# Altium PCB DM1090FFC.PcbDoc (part 2 of 4) (continued)
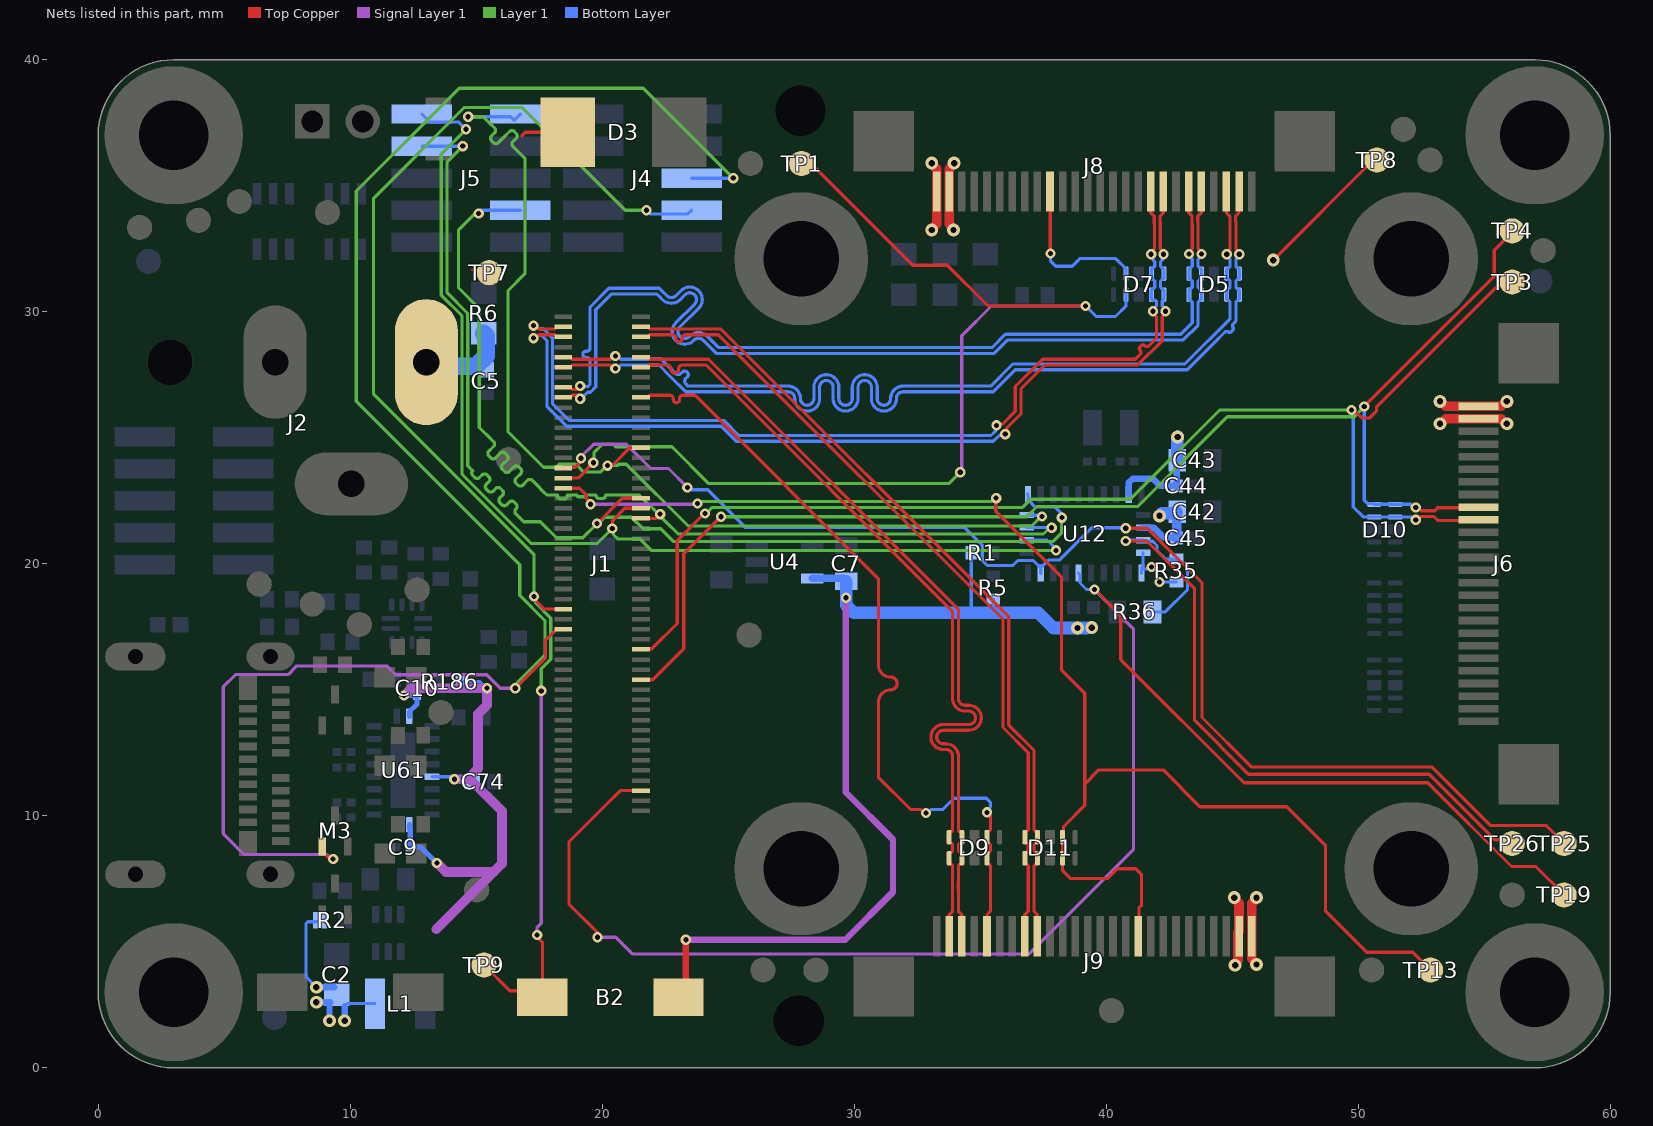
[diagram p4: the nets of this part, all layers, seen from the top]
## Part data (continued)
U12: "IMU ACCEL/GYRO/MAG I2C 32BIT", Case/Package=LGA, Manufacturer 1="Hillcrest Laboratories", Max Operating Temperature=85°C, Min Operating Temperature=-40°C, Supplier Part Number 1=1888-1006-1-ND, Category="Inertial Measurement Units (IMUs)", ComponentLink1Description=https://www.hillcrestlabs.com/downloads/bno080-datasheet?src-supplier=Digi-Key, ComponentLink1URL=https://www.hillcrestlabs.com/downloads/bno080-datasheet?src-supplier=Digi-Key, ComponentLink2Description=https://www.hillcrestlabs.com/downloads/bno080-migration-guide?src-supplier=Digi-Key, ComponentLink2URL=https://www.hillcrestlabs.com/downloads/bno080-migration-guide?src-supplier=Digi-Key, Manufacturer Part Number 1=BNO085, Mount="Surface Mount", Output Type=SPI,I2C, Packaging="Tape and Reel", Pricing 1="1=11.85000, 5=10.31200, 10=9.28100, 25=8.25000, 50=7.63120, 100=6.60000, 500=6.18750, 1000=5.77500 (USD)", RoHS=No, Sensor Type=Accelerometer,Gyroscope,Magnetometer, Stock 1=11593, Supplier 1=Digi-Key
U61: library part CBTL02043A, "Multiplexer And Demux/Decoder, CBT/FST/QS/5C/B Series, 1-Func, 2 Line Input, 1 Line Output, True Output, PQCC20", Manufacturer 1="NXP Semiconductors", Manufacturer Part Number 1=CBTL02043ABQ,115, Supplier Part Number 1=568-6678-1-ND, Category="Interface ICs", ComponentLink1Description=https://datasheet.ciiva.com:443/pdfs/VipMasterIC/IC/PHGL/PHGL-S-A0000727649/PHGL-S-A0000727649-1.pdf?src-supplier=IHS+Markit, ComponentLink1URL=https://datasheet.ciiva.com:443/pdfs/VipMasterIC/IC/PHGL/PHGL-S-A0000727649/PHGL-S-A0000727649-1.pdf?src-supplier=IHS+Markit, ComponentLink2Description=https://datasheet.ciiva.com/4921/cbtl02043a-cbtl02043b-87520-4921245.pdf?src-supplier=Mouser, ComponentLink2URL=https://datasheet.ciiva.com/4921/cbtl02043a-cbtl02043b-87520-4921245.pdf?src-supplier=Mouser, ComponentLink3Description=https://datasheet.ciiva.com/6637/cbtl02043a-cbtl02043b-6637066.pdf?src-supplier=Digi-Key, ComponentLink3URL=https://datasheet.ciiva.com/6637/cbtl02043a-cbtl02043b-6637066.pdf?src-supplier=Digi-Key, Pricing 1="1=1,77000, 10=1,63000 (USD)", RoHS=Yes, Stock 1=19938, Supplier 1=Digi-Key
U62: library part TUSB321RWBR, "IC USB PORT CONTROL TYPE-C 12X2Q", Manufacturer 1="Texas Instruments", Max Operating Temperature=70°C, Max Supply Voltage=5.5V, Min Operating Temperature=0°C, Min Supply Voltage=4.5V, Supplier Part Number 1=296-42400-1-ND, ComponentLink1Description=http://www.ti.com/general/docs/lit/getliterature.tsp?genericPartNumber=TUSB321&&fileType=pdf&src-supplier=Avnet+Asia, ComponentLink1URL=http://www.ti.com/general/docs/lit/getliterature.tsp?genericPartNumber=TUSB321&&fileType=pdf&src-supplier=Avnet+Asia, ComponentLink2Description=http://www.ti.com/general/docs/lit/getliterature.tsp?genericPartNumber=TUSB321&&fileType=pdf&src-supplier=Farnell, ComponentLink2URL=http://www.ti.com/general/docs/lit/getliterature.tsp?genericPartNumber=TUSB321&&fileType=pdf&src-supplier=Farnell, ComponentLink3Description=http://www.ti.com/lit/ds/symlink/tusb321.pdf?src-supplier=Digi-Key, ComponentLink3URL=http://www.ti.com/lit/ds/symlink/tusb321.pdf?src-supplier=Digi-Key, ComponentLink4Description=http://www.ti.com/general/docs/lit/getliterature.tsp?genericPartNumber=TUSB321&&fileType=pdf&src-supplier=Element14, ComponentLink4URL=http://www.ti.com/general/docs/lit/getliterature.tsp?genericPartNumber=TUSB321&&fileType=pdf&src-supplier=Element14, ComponentLink5Description=http://www.ti.com/general/docs/lit/getliterature.tsp?genericPartNumber=TUSB321&&fileType=pdf&src-supplier=Avnet, ComponentLink5URL=http://www.ti.com/general/docs/lit/getliterature.tsp?genericPartNumber=TUSB321&&fileType=pdf&src-supplier=Avnet, Contact Plating=Gold, Lead Free="Lead Free", Manufacturer Part Number 1=TUSB321RWBR, Mount="Surface Mount", Number of Pins=12, Number of Ports=1, Packaging="Tape and Reel", Pricing 1="1=2.27000, 10=2.04200, 100=1.64100, 500=1.34828, 1000=1.11714 (USD)", REACH SVHC="No SVHC", RoHS=Yes, Stock 1=7746, Supplier 1=Digi-Key, USB Standard="USB 3.1"
Y1: "CRYSTAL 32.768kHz ±20ppm Crystal 12.5pF 90 kOhms 2-SMD, No Lead", Case/Package=SMD/SMT, ESR (Equivalent Series Resistance)=90kR, Frequency=32.768kHz, Frequency Tolerance=20ppm, Load Capacitance=12.5pF, Manufacturer 1=Abracon, Max Operating Temperature=85°C, Min Operating Temperature=-40°C, Supplier Part Number 1=535-14513-1-ND, ComponentLink1Description=http://www.farnell.com/datasheets/2614114.pdf?src-supplier=Farnell, ComponentLink1URL=http://www.farnell.com/datasheets/2614114.pdf?src-supplier=Farnell, ComponentLink2Description=https://abracon.com/datasheets/ABS06-127-32.768kHz-T.pdf?src-supplier=Digi-Key, ComponentLink2URL=https://abracon.com/datasheets/ABS06-127-32.768kHz-T.pdf?src-supplier=Digi-Key, ComponentLink3Description=http://www.farnell.com/datasheets/2614114.pdf?src-supplier=Newark, ComponentLink3URL=http://www.farnell.com/datasheets/2614114.pdf?src-supplier=Newark, Manufacturer Part Number 1=ABS06-127-32.768KHZ-T, Mount="Surface Mount", Packaging="Tape and Reel", Pricing 1="1=0.69000, 10=0.60700, 50=0.56760, 100=0.50160, 500=0.47520, 1000=0.39600 (USD)", RoHS=Yes, Stock 1=1640, Supplier 1=Digi-Key, Supplier 2=Digi-Key, Supplier 3=Mouser, Supplier 4=Verical, Supplier Part Number 2=535-14513-6-ND, Supplier Part Number 3=815-ABS0612732.768KT, Supplier Part Number 4=ABS06-127-32.768KHZ-T

## Free pads (board coordinates)
  round 1.524 hole 2 unplated: 1(27.8,1.87) 1(27.87,37.97)

## Via types
v1: diameter 0.406, hole 0.203, Top Copper to Bottom Layer, tented both sides, 378 vias
v2: diameter 0.508, hole 0.254, Top Copper to Bottom Layer, tented both sides, 47 vias
v3: diameter 0.508, hole 0.254, Top Copper to Bottom Layer, 16 vias
v4: diameter 0.406, hole 0.203, Top Copper to Bottom Layer, 3 vias

## Nets (pads, with @x,y where several pads share a name; then routed paths per layer and width w, separated by ;. In a path a pad name is that pad's centre, name@x,y a point inside that pad or via, vN(x,y) a via of type N, cw(c..) or ccw(c..) an arc to the next point about the centre after c; other vN are vias at no path point)
1V8: B2.1 C7.2 C43.2 C44.2 R1.1 R5.1 R35.2 TP8.1 U4.5 U12.5 U12.6 U12.28 | length 52.5
  Top Copper w0.127: v2(46.63,32.05) TP8.1@50.6,36.02
  Top Copper w0.254: B2.1@23.03,2.8 23.22,2.61 23.32,2.71 v1(23.32,5.08)
  Signal Layer 1 w0.254: v1(23.32,5.08) 29.64,5.08 31.54,6.98 31.54,9.06 29.67,10.93 v1(29.67,18.65)
  Bottom Layer w0.127: 34.644,18.039 34.644,18.059 R1.1@34.644,20.439 ; 35.464,18.059 35.519,18.114 R5.1@35.519,18.604 ; U12.6@41.4,19.626 U12.6@41.4,19.732 ; U12.5@41.462,20.439 41.462,19.901 41.4,19.839 41.4,19.794 U12.6@41.4,19.732 ; v1(41.801,19.875) 41.725,19.875 41.644,19.794 41.461,19.794 U12.6@41.4,19.732 ; v1(42.114,19.279) R35.2@42.784,19.279 ; v2(46.63,32.05) v2@46.63,32.075
  Bottom Layer w0.254: U12.28@40.9,22.751 40.902,22.753 40.902,23.23 41.05,23.379 41.854,23.379 42.145,23.089 C44.2@42.784,23.089 42.802,23.106 42.802,24.091 C43.2@42.82,24.109 C43.2@42.822,24.111
  Bottom Layer w0.3: U4.5@28.337,19.421 29.572,19.421 C7.2@29.684,19.309
  Bottom Layer w0.5: C7.2@29.684,19.309 29.684,18.352 29.977,18.059 34.644,18.059 35.464,18.059 37.301,18.059 37.907,17.453 v2@39.237,17.453 ; 38.572,17.453 38.86,17.453 v2(38.861,17.451) ; v2@38.861,17.469 v2(39.423,17.469) ; C43.2@42.815,24.114 C43.2@42.82,24.109 42.82,25.014 v2(42.834,25.029)
3V3: C2.1 C9.2 C10.2 C42.2 C45.2 C74.2 J6.25 J6.26 J8.25 J8.26 J9.25 J9.26 L1.2 R2.2 R186.2 U12.3 U61.1 U61.6 U61.10 | length 51.7
  Top Copper w0.381: v2(33.077,33.246) 33.077,33.28 33.27,33.474 33.27,35.672 33.077,35.866 v2(33.077,35.9) ; v2(33.941,33.246) 33.917,33.27 33.917,33.327 33.77,33.474 33.77,35.672 33.963,35.866 v2(33.963,35.9) ; v2(45.077,6.754) 45.077,6.72 45.27,6.526 45.27,5.427 45.229,5.386 45.229,4.263 45.099,4.133 45.099,4.089 v2(45.113,4.074) ; v2(45.963,4.1) 45.963,4.134 45.77,4.328 45.77,6.526 45.963,6.72 v2(45.963,6.754) ; v2(53.243,25.557) 53.277,25.557 53.471,25.75 55.669,25.75 55.863,25.557 v2(55.897,25.557) ; v2(53.243,26.443) 53.277,26.443 53.471,26.25 55.669,26.25 55.863,26.443 v2(55.897,26.443)
  Signal Layer 1 w0.381: v4(12.142,14.777) 12.148,14.777 12.436,15.064 v1(15.435,15.064) 15.43,15.059 15.43,14.396 15.075,14.041 15.075,11.875 14.706,11.506 ; 13.421,5.501 15.691,7.771 ; v4(13.44,8.128) 13.797,7.771 15.691,7.771 ; v1(14.135,11.452) 14.652,11.452 14.706,11.506 ; 14.706,11.506 16.024,10.189 16.024,8.104 15.691,7.771
  Bottom Layer w0.127: v2(8.66,3.2) 8.25,3.61 8.25,5.726 8.324,5.8 8.74,5.8 R2.2@8.8,5.86 ; 9.79,2.44 9.9,2.55 L1.2@10.98,2.55 ; U61.6@13.25,11.55 14.037,11.55 v1(14.135,11.452) 14.234,11.354 C74.2@14.834,11.354 ; R186.2@14.45,15.325 15.147,15.325 15.408,15.064 v1(15.435,15.064)
  Bottom Layer w0.2: v4(12.142,14.777) C10.2@12.655,14.777 12.645,14.766 12.645,14.42 12.35,14.125 U61.1@12.35,13.95 ; U61.10@12.35,9.65 12.35,9.475 12.384,9.441 C9.2@12.384,8.756 12.812,8.756 v4(13.44,8.128)
  Bottom Layer w0.254: v2(8.66,2.6) C2.1@9.18,2.6 ; v2(8.66,3.2) C2.1@9.377,3.2 ; v2(9.18,1.865) C2.1@9.18,2.6 ; C2.1@9.18,2.61 C2.1@9.18,2.6 ; C2.1@9.211,2.604 9.207,2.6 C2.1@9.18,2.6 ; v2@9.78,1.873 9.78,2.44 ; U12.3@41.462,21.439 41.464,21.437 41.887,21.437 42.295,21.028 42.775,21.028 C45.2@42.784,21.019
  Bottom Layer w0.381: C45.2@42.784,21.019 42.802,21.037 42.802,22.041 C42.2@42.82,22.059
  Bottom Layer w0.5: v2(42.116,21.902) 42.118,21.902 42.214,21.998 42.759,21.998 C42.2@42.802,22.041
  other v2: 9.78,1.865
5V_IN: C5.2 D3.1 J2.1 R6.1 TP7.1 | length 6.2
  Top Copper w0.127: 14.865,31.651 15.413,31.651 TP7.1@15.516,31.549 ; 16.802,36.978 16.946,37.122 D3.1@18.633,37.122
  Bottom Layer w0.7: J2.1@12.95,27.925 13.041,27.834 14.99,27.834 15.4,28.244 15.4,29.05 R6.1@15.3,29.15
2485_BOOT_SEL: B2.2 J1.41 J4.7 TP9.1 | length 54.9
  Top Copper w0.127: TP9.1@15.31,4.08 16.33,3.06 17.37,3.06 17.34,3.09 B2.2@17.42,3.17 ; v1(17.3,18.7) 17.353,18.647 17.353,18.546 17.699,18.2 J1.41@18.435,18.2 ; v1(17.42,5.27) 17.42,5.194 17.63,4.984 B2.2@17.63,2.8
  Signal Layer 1 w0.127: v1(17.42,5.27) 17.42,5.577 17.583,5.74 v4(17.583,14.958)
  Layer 1 w0.127: v4(17.583,14.958) 17.583,15.837 17.962,16.216 17.962,17.841 17.353,18.449 17.353,18.647 v1(17.3,18.7) 17.3,20.366 10.932,26.734 10.932,34.506 14.53,38.104 16.835,38.104 20.909,34.03 v1(21.76,34.03)
  Bottom Layer w0.127: v1(21.76,34.03) 21.906,33.884 23.404,33.884 J4.7@23.55,34.03
2485_PGOOD: J1.37 J4.5 M3.1 | length 69.8
  Top Copper w0.127: M3.1@8.9,8.79 8.9,8.585 v1@9.146,8.339 ; v1(16.55,15.06) 17.748,16.258 17.748,16.961 18.042,17.255 18.055,17.255 18.2,17.4 J1.37@18.46,17.4
  Signal Layer 1 w0.127: v1(9.326,8.285) 9.25,8.285 9.066,8.47 5.787,8.47 4.961,9.295 4.961,15.115 5.452,15.605 7.536,15.605 7.878,15.947 11.453,15.947 11.8,15.6 15.42,15.6 15.96,15.06 v1(16.55,15.06)
  Layer 1 w0.127: v1(16.55,15.06) 16.603,15.113 16.603,15.253 17.733,16.383 17.733,17.746 16.731,18.748 16.731,19.966 10.246,26.45 10.246,34.79 14.324,38.868 21.632,38.868 v1(25.2,35.3)
  Bottom Layer w0.127: J4.5@23.55,35.3 v1(25.2,35.3)
BNO08x_BOOTN_1V8_1: R35.1 R36.1 TP26.1 U12.4 | length 29.1
  Top Copper w0.127: v1(40.776,20.9) 41.62,20.9 43.507,19.013 43.507,13.787 45.641,11.652 52.816,11.652 55.422,9.046 55.964,9.046 TP26.1@56.11,8.9
  Bottom Layer w0.127: v1(40.776,20.9) 40.809,20.934 41.457,20.934 U12.4@41.462,20.939 41.507,20.894 41.845,20.894 42.014,20.724 42.014,20.519 42.354,20.179 R35.1@42.784,20.179 42.946,20.017 43.138,20.017 43.225,19.93 43.225,18.97 42.344,18.089 R36.1@41.837,18.089
BNO08x_CIPO_1V8: J1.64 J5.4 U12.20 | length 47.1
  Top Copper w0.127: v1(19.8,21.6) 20.8,22.6 J1.64@21.54,22.6 J1.64@21.565,22.6
  Layer 1 w0.127: v1(14.47,36.57) 13.846,35.946 13.846,30.754 14.669,29.931 14.669,23.887 14.837,23.719 cw(c14.809,23.692) 14.837,23.665 14.864,23.692 ccw(c14.958,23.598) 14.864,23.503 14.945,23.423 ccw(c15.039,23.517) 15.133,23.423 15.238,23.527 cw(c15.332,23.433) 15.427,23.527 15.507,23.446 cw(c15.413,23.352) 15.507,23.258 15.403,23.153 ccw(c15.497,23.059) 15.403,22.965 15.484,22.884 ccw(c15.578,22.978) 15.672,22.884 15.777,22.988 cw(c15.871,22.894) 15.965,22.988 16.046,22.908 cw(c15.952,22.813) 16.046,22.719 15.942,22.614 ccw(c16.036,22.52) 15.942,22.426 16.022,22.345 ccw(c16.117,22.439) 16.211,22.345 16.316,22.45 cw(c16.41,22.355) 16.504,22.45 16.585,22.369 cw(c16.491,22.275) 16.585,22.18 16.575,22.17 ccw(c16.669,22.076) 16.575,21.981 16.75,21.806 16.884,21.671 17.549,21.671 18.189,21.032 19.232,21.032 v1(19.8,21.6) 19.857,21.6 20.107,21.85 21.16,21.85 21.622,21.388 22.332,21.388 22.84,20.88 37.886,20.88 38.22,21.214 38.22,21.81 v1(38.24,21.83)
  Bottom Layer w0.127: J5.4@12.85,36.57 v1(14.47,36.57) ; U12.20@36.872,22.779 U12.20@36.9,22.751 36.9,22.539 37.19,22.249 37.971,22.249 38.247,21.973 38.247,21.837 v1(38.24,21.83)
BNO08x_COPI_1V8: J1.62 J5.2 U12.17 | length 44.9
  Top Copper w0.127: v1(20.4,21.4) 20.412,21.412 20.412,21.712 20.9,22.2 J1.62@21.54,22.2 J1.62@21.565,22.2
  Layer 1 w0.127: v1(14.6,37.241) 13.617,36.258 13.617,30.659 14.44,29.836 14.44,23.549 17.186,20.803 19.803,20.803 v1(20.4,21.4) 20.451,21.349 20.451,21.149 20.613,20.987 21.493,20.987 21.947,20.532 v1(38.007,20.532)
  Bottom Layer w0.127: J5.2@12.85,37.84 13.167,37.523 14.317,37.523 v1(14.6,37.241) ; U12.17@36.837,20.939 36.842,20.944 37.651,20.944 38.001,20.594 38.001,20.539 v1(38.007,20.532)
BNO08x_CS_1V8: J1.60 J5.7 U12.18 | length 40.3
  Top Copper w0.127: J1.60@21.54,21.8 22.124,21.8 22.224,21.9 22.232,21.9 v1(22.3,21.968)
  Layer 1 w0.127: v1(15.1,33.9) 15.047,33.846 14.902,33.846 14.303,33.247 14.303,30.943 15.126,30.12 15.126,25.457 15.126,25.408 15.245,25.288 15.515,25.019 15.69,24.844 cw(c15.596,24.75) 15.69,24.655 15.504,24.469 ; 15.504,24.28 cw(c15.598,24.375) 15.504,24.469 ; 15.504,24.28 15.584,24.2 ccw(c15.679,24.294) 15.773,24.2 15.959,24.386 cw(c16.054,24.292) 16.148,24.386 16.229,24.305 cw(c16.134,24.211) 16.229,24.116 16.042,23.93 ccw(c16.137,23.836) 16.042,23.742 16.123,23.661 ccw(c16.218,23.755) 16.312,23.661 16.498,23.847 ; 16.498,23.847 cw(c16.592,23.753) 16.687,23.847 ; 16.687,23.847 16.768,23.766 cw(c16.673,23.672) 16.768,23.578 16.581,23.391 ccw(c16.676,23.297) 16.581,23.203 16.662,23.122 ccw(c16.756,23.216) 16.851,23.122 17.037,23.308 cw(c17.131,23.214) 17.226,23.308 17.401,23.133 17.67,22.864 17.805,22.729 17.852,22.729 18.203,22.729 cw(c18.203,22.7) 18.233,22.7 ccw(c18.366,22.7) 18.366,22.567 18.48,22.567 ccw(c18.48,22.7) 18.614,22.7 cw(c18.643,22.7) 18.643,22.729 18.995,22.729 ccw(c19.061,22.729) 19.061,22.663 19.309,22.663 ccw(c19.309,22.729) 19.376,22.729 19.757,22.729 19.757,22.72 ccw(c19.89,22.72) 19.89,22.587 20.004,22.587 ccw(c20.004,22.72) 20.138,22.72 20.138,22.729 20.519,22.729 20.9,22.729 21.281,22.729 21.471,22.729 21.656,22.544 21.925,22.275 22.06,22.14 22.232,21.968 v1(22.3,21.968) ; v1@22.266,21.934 22.53,21.67 23.017,21.183 37.513,21.183 37.759,21.429 v1(37.834,21.429)
  Bottom Layer w0.127: v1(15.1,33.9) 15.1,33.956 15.174,34.03 J5.7@16.75,34.03 ; U12.18@36.837,21.439 36.842,21.434 37.83,21.434 v1(37.834,21.429)
BNO08x_INT_1V8: J1.69 TP25.1 U12.14 | length 51.9
  Top Copper w0.127: J1.69@18.46,23.8 18.487,23.827 18.927,23.827 19.156,24.056 v1(19.156,24.187) ; v1(40.774,21.409) 41.631,21.409 43.8,19.24 43.8,13.9 45.76,11.94 52.919,11.94 55.238,9.621 57.449,9.621 TP25.1@58.17,8.9
  Signal Layer 1 w0.127: v1(19.156,24.187) 19.156,24.236 19.667,24.747 20.957,24.747 21.924,23.779 22.631,23.779 v1(23.38,23.03)
  Bottom Layer w0.127: v1(23.38,23.03) 23.456,23.03 23.552,22.934 24.186,22.934 25.67,21.45 34.367,21.45 35.084,20.732 35.084,20.136 35.287,19.933 36.299,19.933 36.494,20.129 37.109,20.129 U12.14@37.4,19.839 ; U12.14@37.4,19.626 U12.14@37.4,19.839 ; v1(40.774,21.409) 40.755,21.429 39.424,21.429 38.14,20.144 37.705,20.144 U12.14@37.4,19.839
BNO08x_RSTn_1V8: J1.6 TP19.1 U12.11 | length 67.9
  Top Copper w0.127: v1(19.82,5.18) 19.82,5.36 18.68,6.5 18.68,8.96 20.15,10.43 20.72,11 J1.6@21.54,11 ; v1(39.54,18.98) 40.58,17.94 40.58,16.198 45.468,11.31 52.759,11.31 56.079,7.99 57.04,7.99 TP19.1@58.17,6.86
  Signal Layer 1 w0.127: v1(19.82,5.18) 20.54,5.18 21.2,4.52 36.94,4.52 41.08,8.66 41.08,17.427 39.54,18.967 v1(39.54,18.98)
  Bottom Layer w0.127: U12.11@38.9,19.626 38.961,19.565 38.961,19.238 39.219,18.98 v1(39.54,18.98)
BNO08x_SCK_1V8: J1.74 J5.1 U12.19 | length 43.2
  Top Copper w0.127: v1(20.209,23.893) 20.216,23.9 20.4,23.9 21.1,24.6 J1.74@21.54,24.6
  Layer 1 w0.127: v1(14.683,37.736) 15.287,37.736 15.423,37.6 15.558,37.465 15.733,37.29 cw(c15.638,37.196) 15.733,37.102 15.609,36.978 ccw(c15.704,36.884) 15.609,36.79 15.69,36.709 ccw(c15.785,36.803) 15.879,36.709 16.096,36.926 16.323,37.153 cw(c16.417,37.058) 16.511,37.153 16.592,37.072 cw(c16.498,36.978) 16.592,36.883 16.46,36.751 ccw(c16.554,36.657) 16.46,36.563 16.635,36.388 16.905,36.118 16.933,36.09 16.933,35.958 16.933,31.508 16.263,30.838 16.263,25.241 17.672,23.832 18.171,23.832 18.286,23.947 18.963,23.947 19.272,23.639 19.932,23.639 20.186,23.893 v1(20.209,23.893) ; v1@20.21,23.9 20.219,23.909 20.615,23.909 20.658,23.952 20.958,23.952 23.411,21.499 37.044,21.499 37.426,21.88 v1(37.454,21.88)
  Bottom Layer w0.127: v1(14.683,37.736) 16.374,37.736 16.51,37.6 J5.1@16.75,37.84 ; U12.19@36.837,21.939 36.852,21.924 37.411,21.924 v1(37.454,21.88)
CAM_A_CLK_OUT: D10.5 D10.6 J1.28 J6.18 TP4.1 | length 52.5
  Top Copper w0.127: J1.28@21.54,15.4 22.01,15.4 23.24,16.63 23.24,20.394 v1(24.713,21.867) ; v1(50.239,26.243) 55.4,31.404 55.4,32.44 56.11,33.15 TP4.1@56.11,33.209 ; v1(52.28,22.238) 52.356,22.238 52.489,22.104 53.041,22.104 53.157,22.22 J6.18@54.02,22.22
  Layer 1 w0.127: v1(24.713,21.867) 36.847,21.867 37.253,22.273 41.25,22.273 44.81,25.833 49.844,25.833 50.239,26.228 v1(50.239,26.243)
  Bottom Layer w0.127: v1(50.239,26.243) 50.239,22.522 50.364,22.397 50.599,22.397 D10.5@50.635,22.36 D10.6@51.47,22.36 52.082,22.36 52.204,22.238 v1(52.28,22.238)
CAM_A_PWDN_N: D10.4 D10.7 J1.34 J6.17 TP3.1 | length 51.3
  Top Copper w0.127: J1.34@21.54,16.6 21.566,16.626 21.975,16.626 22.98,17.632 22.98,20.919 24.017,21.956 24.041,21.956 v1(24.082,21.997) ; v1(49.733,26.1) 49.809,26.1 49.916,25.993 49.929,25.993 50.133,25.79 50.462,25.79 50.72,26.048 50.72,26.21 55.539,31.029 55.959,31.029 TP3.1@56.11,31.18 ; v1(52.28,21.742) 52.341,21.742 52.475,21.876 53.001,21.876 53.157,21.72 J6.17@54.02,21.72
  Layer 1 w0.127: v1(24.082,21.997) 24.096,22.01 24.147,22.01 24.372,22.235 24.865,22.235 ; 24.866,22.235 36.683,22.235 37.009,22.561 40.961,22.561 44.5,26.1 v1(49.733,26.1)
  Bottom Layer w0.127: v1(49.733,26.1) 49.8,26.033 49.8,22.252 50.192,21.86 D10.4@50.635,21.86 D10.7@51.47,21.86 52.087,21.86 52.204,21.742 v1(52.28,21.742)
CAM_B_PWDN_N: D7.4 D7.7 J1.67 J8.17 TP1.1 | length 51.5
  Top Copper w0.127: J1.67@18.46,23.4 19.044,23.4 v1(19.651,24.007) ; TP1.1@27.91,35.88 27.98,35.81 28.361,35.81 32.322,31.848 33.692,31.848 35.312,30.229 v1(39.183,30.229) ; J8.17@37.77,34.773 37.78,34.763 v1@37.78,32.32 ; v1@37.78,32.26 v1@37.78,32.32 ; v1(37.79,32.31) v1@37.78,32.32
  Signal Layer 1 w0.127: v1(34.21,23.63) 34.263,23.683 34.263,23.837 34.271,23.844 34.271,29.051 35.449,30.229 v1(39.183,30.229)
  Layer 1 w0.127: v1(19.651,24.007) 19.671,24.027 19.671,24.401 20.023,24.753 20.428,24.753 20.54,24.64 22.77,24.64 24.23,23.18 33.76,23.18 v1(34.21,23.63)
  Bottom Layer w0.127: v1(37.79,32.31) v1(37.79,32.31) 37.791,32.009 37.991,31.809 38.649,31.809 38.951,32.111 40.374,32.111 40.79,31.695 D7.7@40.79,31.513 D7.4@40.79,30.678 40.79,30.234 40.368,29.812 39.599,29.812 v1(39.183,30.229)
CAM_C_D_PWM: D11.4 D11.7 J1.65 J9.17 TP13.1 | length 58.2
  Top Copper w0.127: J1.65@18.46,23 19.1,23 19.363,22.737 19.363,22.599 19.54,22.423 v1(19.54,22.361) ; v1(35.634,22.603) 35.62,22.589 35.62,22.09 38.22,19.49 38.22,15.79 39.147,14.863 39.147,11.257 ; J9.17@41.27,5.977 41.298,6.005 41.298,6.343 41.403,6.448 41.403,7.664 41.17,7.898 40.44,7.898 40.05,7.507 38.59,7.507 38.27,7.827 D11.4@38.27,8.317 D11.7@38.27,9.152 38.306,9.189 38.306,9.573 39.147,10.414 39.147,11.257 ; TP13.1@52.87,3.88 52.16,4.59 50.33,4.59 48.703,6.217 48.703,8.815 47.158,10.36 43.718,10.36 42.258,11.82 39.71,11.82 39.147,11.257
  Signal Layer 1 w0.127: v1(19.54,22.361) 23.752,22.361 v1(23.782,22.391)
  Layer 1 w0.127: v1@23.89,22.467 35.441,22.467 35.544,22.57 35.601,22.57 v1(35.634,22.603)
CAM_L_C_N: D7.1 D7.10 J1.95 J8.8 | length 38.2
  Top Copper w0.127: v1(17.279,28.952) 17.355,28.952 17.488,29.086 18.114,29.086 18.2,29 J1.95@18.46,29 ; v1(35.996,25.144) 36.049,25.198 36.049,25.386 36.619,25.955 36.619,26.939 37.57,27.89 41.253,27.89 42.22,28.857 42.22,29.811 42.353,29.944 v1(42.353,30.02) ; J8.8@42.27,34.573 42.27,33.923 42.134,33.787 42.134,33.582 42.144,33.573 42.144,32.492 42.278,32.359 v1(42.278,32.283)
  Bottom Layer w0.127: v1(17.279,28.952) 17.355,28.952 17.488,29.086 17.58,29.086 17.805,28.861 17.805,26.245 18.428,25.622 18.591,25.46 24.725,25.46 25.324,24.861 35.525,24.861 35.764,25.101 35.952,25.101 v1(35.996,25.144) ; v1@42.278,32.207 v1(42.278,32.283) 42.224,32.23 42.224,32.053 42.154,31.983 42.154,31.806 42.229,31.732 42.253,31.732 42.29,31.695 D7.10@42.29,31.513 42.29,31.33 42.253,31.294 42.229,31.294 42.154,31.219 42.154,30.971 42.229,30.897 42.253,30.897 42.29,30.86 D7.1@42.29,30.678 42.29,30.495 42.22,30.425 42.22,30.229 42.353,30.096 v1(42.353,30.02)
CAM_L_C_P: D7.2 D7.9 J1.97 J8.9 | length 38.1
  Top Copper w0.127: v1(17.279,29.448) 17.355,29.448 17.488,29.314 18.114,29.314 18.2,29.4 J1.97@18.46,29.4 ; v1(35.646,25.494) 35.699,25.548 35.888,25.548 36.39,26.05 36.39,27.033 37.475,28.119 41.159,28.119 41.295,28.255 41.34,28.3 ccw(c41.25,28.39) 41.34,28.48 41.334,28.486 cw(c41.388,28.539) 41.334,28.593 41.406,28.665 cw(c41.459,28.611) 41.513,28.665 41.519,28.659 ccw(c41.609,28.748) 41.699,28.659 41.975,28.935 41.991,28.951 41.991,29.811 41.858,29.944 v1(41.858,30.02) ; J8.9@41.77,34.573 41.77,33.923 41.906,33.787 41.906,33.488 41.916,33.478 41.916,32.492 41.782,32.359 v1(41.782,32.283)
  Bottom Layer w0.127: v1(17.279,29.448) 17.355,29.448 17.488,29.314 17.675,29.314 18.034,28.955 18.034,26.34 18.134,26.24 18.685,25.688 24.82,25.688 25.418,25.09 35.43,25.09 35.602,25.262 35.602,25.451 v1(35.646,25.494) ; v1(41.782,32.283) 41.782,32.212 41.859,32.136 41.859,32.05 41.926,31.983 41.926,31.806 41.851,31.732 41.826,31.732 41.79,31.695 D7.9@41.79,31.513 41.79,31.33 41.826,31.294 41.851,31.294 41.926,31.219 41.926,30.971 41.851,30.897 41.826,30.897 41.79,30.86 D7.2@41.79,30.678 41.79,30.495 41.826,30.459 41.947,30.459 41.991,30.414 41.991,30.229 41.858,30.096 v1(41.858,30.02)
CAM_L_D0_N: D5.1 D5.10 J1.89 J8.2 | length 38.4
  Top Copper w0.127: J1.89@18.46,27.8 18.72,27.8 18.806,27.886 20.314,27.886 20.448,27.752 v1(20.523,27.752) ; J8.2@45.27,34.573 45.27,33.923 45.134,33.787 45.134,33.582 45.144,33.573 45.144,32.492 45.278,32.359 v1(45.278,32.283)
  Bottom Layer w0.127: v1(20.523,27.752) 20.599,27.752 20.732,27.886 22.254,27.886 22.709,27.431 23.317,26.822 26.434,26.822 27.373,26.822 cw(c27.373,26.556) 27.639,26.556 27.639,26.554 ccw(c28.134,26.554) 28.629,26.554 28.629,27.01 cw(c28.896,27.01) 29.162,27.01 29.162,26.554 ccw(c29.657,26.554) 30.152,26.554 30.152,27.01 cw(c30.418,27.01) 30.685,27.01 30.685,26.554 ccw(c31.18,26.554) 31.675,26.554 31.675,26.556 cw(c31.941,26.556) 31.941,26.822 32.591,26.822 35.516,26.822 36.392,27.698 43.215,27.698 44.468,28.952 44.513,28.997 44.695,29.178 cw(c44.786,29.086) 44.84,29.205 44.846,29.202 ; 44.846,29.202 ccw(c44.9,29.255) 44.954,29.202 45.025,29.273 ccw(c44.972,29.327) 45.025,29.381 cw(c45.141,29.44) 45.049,29.532 45.144,29.628 45.144,30.196 45.144,30.384 45.219,30.459 45.243,30.459 45.28,30.495 D5.1@45.28,30.678 45.28,30.86 45.243,30.897 45.219,30.897 45.144,30.971 45.144,31.219 45.219,31.294 45.243,31.294 45.28,31.33 D5.10@45.28,31.513 45.28,31.695 45.243,31.732 45.219,31.732 45.144,31.806 45.144,32.074 45.278,32.207 v1(45.278,32.283)
CAM_L_D0_P: D5.2 D5.9 J1.91 J8.3 | length 38.4
  Top Copper w0.127: J1.91@18.46,28.2 18.72,28.2 18.806,28.114 20.314,28.114 20.448,28.248 v1(20.523,28.248) ; J8.3@44.77,34.573 44.77,33.923 44.906,33.787 44.906,33.488 44.916,33.478 44.916,32.492 44.782,32.359 v1(44.782,32.283)
  Bottom Layer w0.127: v1(20.523,28.248) 20.599,28.248 20.732,28.114 22.349,28.114 22.867,27.596 22.912,27.551 22.917,27.546 ccw(c23.016,27.644) 23.109,27.541 23.183,27.607 cw(c23.276,27.503) 23.38,27.596 cw(c23.276,27.503) 23.369,27.4 23.317,27.353 ccw(c23.411,27.249) 23.312,27.151 23.412,27.051 23.584,27.051 26.434,27.051 27.373,27.051 cw(c27.373,26.556) 27.868,26.556 27.868,26.554 ccw(c28.134,26.554) 28.401,26.554 28.401,27.01 cw(c28.896,27.01) 29.391,27.01 29.391,26.554 ccw(c29.657,26.554) 29.923,26.554 29.923,27.01 cw(c30.418,27.01) 30.913,27.01 30.913,26.554 ccw(c31.18,26.554) 31.446,26.554 31.446,26.556 cw(c31.941,26.556) 31.941,27.051 32.591,27.051 35.421,27.051 36.297,27.927 43.12,27.927 44.916,29.722 44.916,30.384 44.841,30.459 44.816,30.459 44.78,30.495 D5.2@44.78,30.678 44.78,30.86 44.816,30.897 44.841,30.897 44.916,30.971 44.916,31.219 44.841,31.294 44.816,31.294 44.78,31.33 D5.9@44.78,31.513 44.78,31.695 44.816,31.732 44.841,31.732 44.916,31.806 44.916,32.074 44.782,32.207 v1(44.782,32.283)
CAM_L_D1_N: D5.4 D5.7 J1.83 J8.5 | length 38.3
  Top Copper w0.127: J1.83@18.46,26.6 18.72,26.6 18.806,26.686 v1@19.052,26.686 ; J8.5@43.77,34.573 43.77,33.923 43.634,33.787 43.634,33.582 43.644,33.572 43.644,32.502 43.778,32.369 v1(43.778,32.293)
  Bottom Layer w0.127: v1(19.126,26.546) 19.156,26.546 19.42,26.809 19.538,26.809 19.747,27.019 19.747,30.085 20.364,30.701 22.175,30.701 22.269,30.607 22.395,30.482 ; 22.395,30.481 ccw(c22.745,30.832) 23.096,30.482 23.288,30.675 cw(c23.477,30.487) 23.665,30.676 ; 23.667,30.675 cw(c23.477,30.487) 23.667,30.299 22.923,29.556 ccw(c23.273,29.206) 22.923,28.855 ccw(c23.273,29.205) 23.623,28.856 23.633,28.866 cw(c23.822,28.678) 24.011,28.866 ; 24.011,28.865 24.529,28.348 24.66,28.348 35.561,28.348 36.095,28.881 43.055,28.881 43.644,29.471 43.644,30.384 43.719,30.459 43.743,30.459 43.78,30.495 D5.4@43.78,30.678 43.78,30.86 43.743,30.897 43.719,30.897 43.644,30.971 43.644,31.219 43.719,31.294 43.743,31.294 43.78,31.33 D5.7@43.78,31.513 43.78,31.695 43.743,31.732 43.719,31.732 43.644,31.806 43.644,32.084 43.778,32.217 v1(43.778,32.293)
CAM_L_D1_P: D5.5 D5.6 J1.85 J8.6 | length 38.3
  Top Copper w0.127: J1.85@18.46,27 18.72,27 18.806,26.914 18.987,26.914 v1(19.126,27.054) ; J8.6@43.27,34.573 43.27,33.923 43.406,33.787 43.406,33.488 43.416,33.478 43.416,32.502 43.282,32.369 v1(43.282,32.293)
  Bottom Layer w0.127: v1(19.126,27.054) 19.141,27.039 19.444,27.039 19.518,27.113 19.518,27.991 19.518,28.054 ccw(c19.391,28.054) 19.391,28.181 19.362,28.181 cw(c19.362,28.308) 19.362,28.435 19.391,28.435 ccw(c19.391,28.562) 19.518,28.562 19.518,29.058 19.518,30.18 20.269,30.93 22.27,30.93 22.431,30.769 22.556,30.644 ccw(c22.745,30.832) 22.934,30.644 23.127,30.836 cw(c23.477,30.487) 23.827,30.837 cw(c23.477,30.487) 23.827,30.137 23.085,29.395 ; 23.084,29.018 cw(c23.273,29.206) 23.085,29.394 ; 23.085,29.017 ccw(c23.273,29.205) 23.46,29.016 23.471,29.027 cw(c23.822,28.678) 24.135,29.061 24.139,29.061 24.171,29.029 ; v1(43.282,32.293) 43.282,32.217 43.416,32.084 43.416,31.806 43.341,31.732 43.316,31.732 43.28,31.695 D5.6@43.28,31.513 43.28,31.33 43.316,31.294 43.341,31.294 43.416,31.219 43.416,30.971 43.341,30.897 43.316,30.897 43.28,30.86 D5.5@43.28,30.678 43.28,30.495 43.316,30.459 43.341,30.459 43.416,30.384 43.416,29.566 42.96,29.11 36,29.11 35.467,28.577 24.888,28.577 24.623,28.577 24.173,29.027 ; 24.173,29.027 ccw(c23.822,28.678) 24.171,29.029
CAM_R_C_N: D11.1 D11.10 J1.96 J9.8 | length 32.5
  Top Copper w0.127: J1.96@21.54,29 21.8,29 21.886,29.086 22.48,29.086 22.797,29.086 cw(c22.797,28.959) 22.924,28.959 22.924,28.938 ccw(c23.051,28.938) 23.177,28.938 23.177,28.959 cw(c23.304,28.959) 23.304,29.086 23.652,29.086 23.719,29.086 23.722,29.088 24.612,29.088 35.903,17.797 35.903,13.505 36.906,12.502 36.906,9.446 36.831,9.372 36.806,9.372 36.77,9.335 D11.10@36.77,9.152 36.77,8.97 36.806,8.933 36.831,8.933 36.906,8.859 36.906,8.611 36.831,8.537 36.806,8.537 36.77,8.5 D11.1@36.77,8.317 36.77,8.135 36.806,8.098 36.831,8.098 36.906,8.024 36.906,7.462 36.903,7.46 36.903,6.97 36.904,6.969 36.904,6.419 36.906,6.418 36.906,6.213 36.77,6.077 J9.8@36.77,5.427
CAM_R_C_P: D11.2 D11.9 J1.98 J9.9 | length 32.6
  Top Copper w0.127: J1.98@21.54,29.4 21.8,29.4 21.886,29.314 23.624,29.314 23.627,29.317 24.706,29.317 36.131,17.892 36.131,13.599 37.134,12.596 37.134,9.446 37.209,9.372 37.233,9.372 37.27,9.335 D11.9@37.27,9.152 37.27,8.97 37.233,8.933 37.209,8.933 37.134,8.859 37.134,8.611 37.209,8.537 37.233,8.537 37.27,8.5 D11.2@37.27,8.317 37.27,8.135 37.233,8.098 37.209,8.098 37.134,8.024 37.134,7.368 37.132,7.365 37.132,7.065 37.134,7.062 37.134,6.97 37.133,6.969 37.133,6.513 37.134,6.512 37.134,6.213 37.27,6.077 J9.9@37.27,5.427
CAM_R_D0_N: D9.1 D9.10 J1.90 J9.2 | length 32.4
  Top Copper w0.127: J1.90@21.54,27.8 21.8,27.8 21.886,27.886 22.21,27.886 22.578,27.886 cw(c22.578,27.733) 22.731,27.733 22.731,27.723 ccw(c22.883,27.723) 23.036,27.723 23.036,27.733 cw(c23.188,27.733) 23.188,27.886 24.124,27.886 33.906,18.104 33.906,14.827 33.906,14.65 ccw(c34.401,14.65) 34.401,14.154 34.548,14.154 cw(c34.548,13.888) 34.548,13.621 33.538,13.621 ccw(c33.538,13.126) 33.538,12.63 33.639,12.63 cw(c33.639,12.364) 33.906,12.364 33.906,11.327 33.906,9.404 33.873,9.372 33.806,9.372 33.77,9.335 D9.10@33.77,9.152 33.77,8.97 33.806,8.933 33.831,8.933 33.906,8.859 33.906,8.611 33.831,8.537 33.806,8.537 33.77,8.5 D9.1@33.77,8.317 33.77,8.135 33.806,8.098 33.831,8.098 33.906,8.024 33.906,7.462 33.903,7.46 33.903,6.97 33.906,6.967 33.906,6.569 33.906,6.213 33.77,6.077 J9.2@33.77,5.427
CAM_R_D0_P: D9.2 D9.9 J1.92 J9.3 | length 32.4
  Top Copper w0.127: J1.92@21.54,28.2 21.8,28.2 21.886,28.114 24.219,28.114 34.134,18.199 34.134,14.827 34.134,14.65 ccw(c34.401,14.65) 34.401,14.383 34.548,14.383 cw(c34.548,13.888) 34.548,13.392 33.538,13.392 ccw(c33.538,13.126) 33.538,12.859 33.639,12.859 cw(c33.639,12.364) 34.134,12.364 34.134,11.327 34.134,9.404 34.167,9.372 34.233,9.372 34.27,9.335 D9.9@34.27,9.152 34.27,8.97 34.233,8.933 34.209,8.933 34.134,8.859 34.134,8.611 34.209,8.537 34.233,8.537 34.27,8.5 D9.2@34.27,8.317 34.27,8.135 34.233,8.098 34.209,8.098 34.134,8.024 34.134,7.368 34.132,7.365 34.132,7.065 34.134,7.062 34.134,6.475 34.134,6.213 34.27,6.077 J9.3@34.27,5.427
CAM_R_D1_N: D9.4 D9.7 J1.84 J9.5 | length 32.5
  Top Copper w0.127: J1.84@21.54,26.6 21.8,26.6 21.886,26.686 22.374,26.686 22.691,26.686 cw(c22.691,26.559) 22.818,26.559 22.818,26.517 ccw(c22.945,26.517) 23.071,26.517 23.071,26.559 cw(c23.198,26.559) 23.198,26.686 23.684,26.686 23.729,26.641 30.961,19.409 30.961,16.168 30.961,15.986 ccw(c31.444,15.986) 31.44,15.504 31.453,15.504 cw(c31.451,15.25) 31.705,15.253 31.705,15.247 cw(c31.451,15.25) 31.449,14.996 ; 31.448,14.996 ccw(c31.444,14.514) 30.961,14.514 30.961,13.688 30.961,11.526 32.239,10.249 32.641,10.249 32.774,10.116 v1(32.85,10.116) ; J9.5@35.27,5.427 35.27,6.077 35.406,6.213 35.406,6.418 35.404,6.419 35.404,6.969 35.403,6.97 35.403,7.46 35.406,7.462 35.406,8.024 35.331,8.098 35.306,8.098 35.27,8.135 D9.4@35.27,8.317 35.27,8.5 35.306,8.537 35.331,8.537 35.406,8.611 35.406,8.859 35.331,8.933 35.306,8.933 35.27,8.97 D9.7@35.27,9.152 35.27,9.335 35.306,9.372 35.331,9.372 35.406,9.446 35.406,10.007 35.276,10.138 v1(35.272,10.138)
  Bottom Layer w0.127: v1(32.85,10.116) 32.926,10.116 33.059,10.249 33.511,10.249 33.961,10.699 35.238,10.699 35.406,10.531 35.406,10.346 35.272,10.213 v1(35.272,10.138)